# Altium PCB STM32F103最小系统板V1_0.PcbDoc (part 2 of 2) (continued)
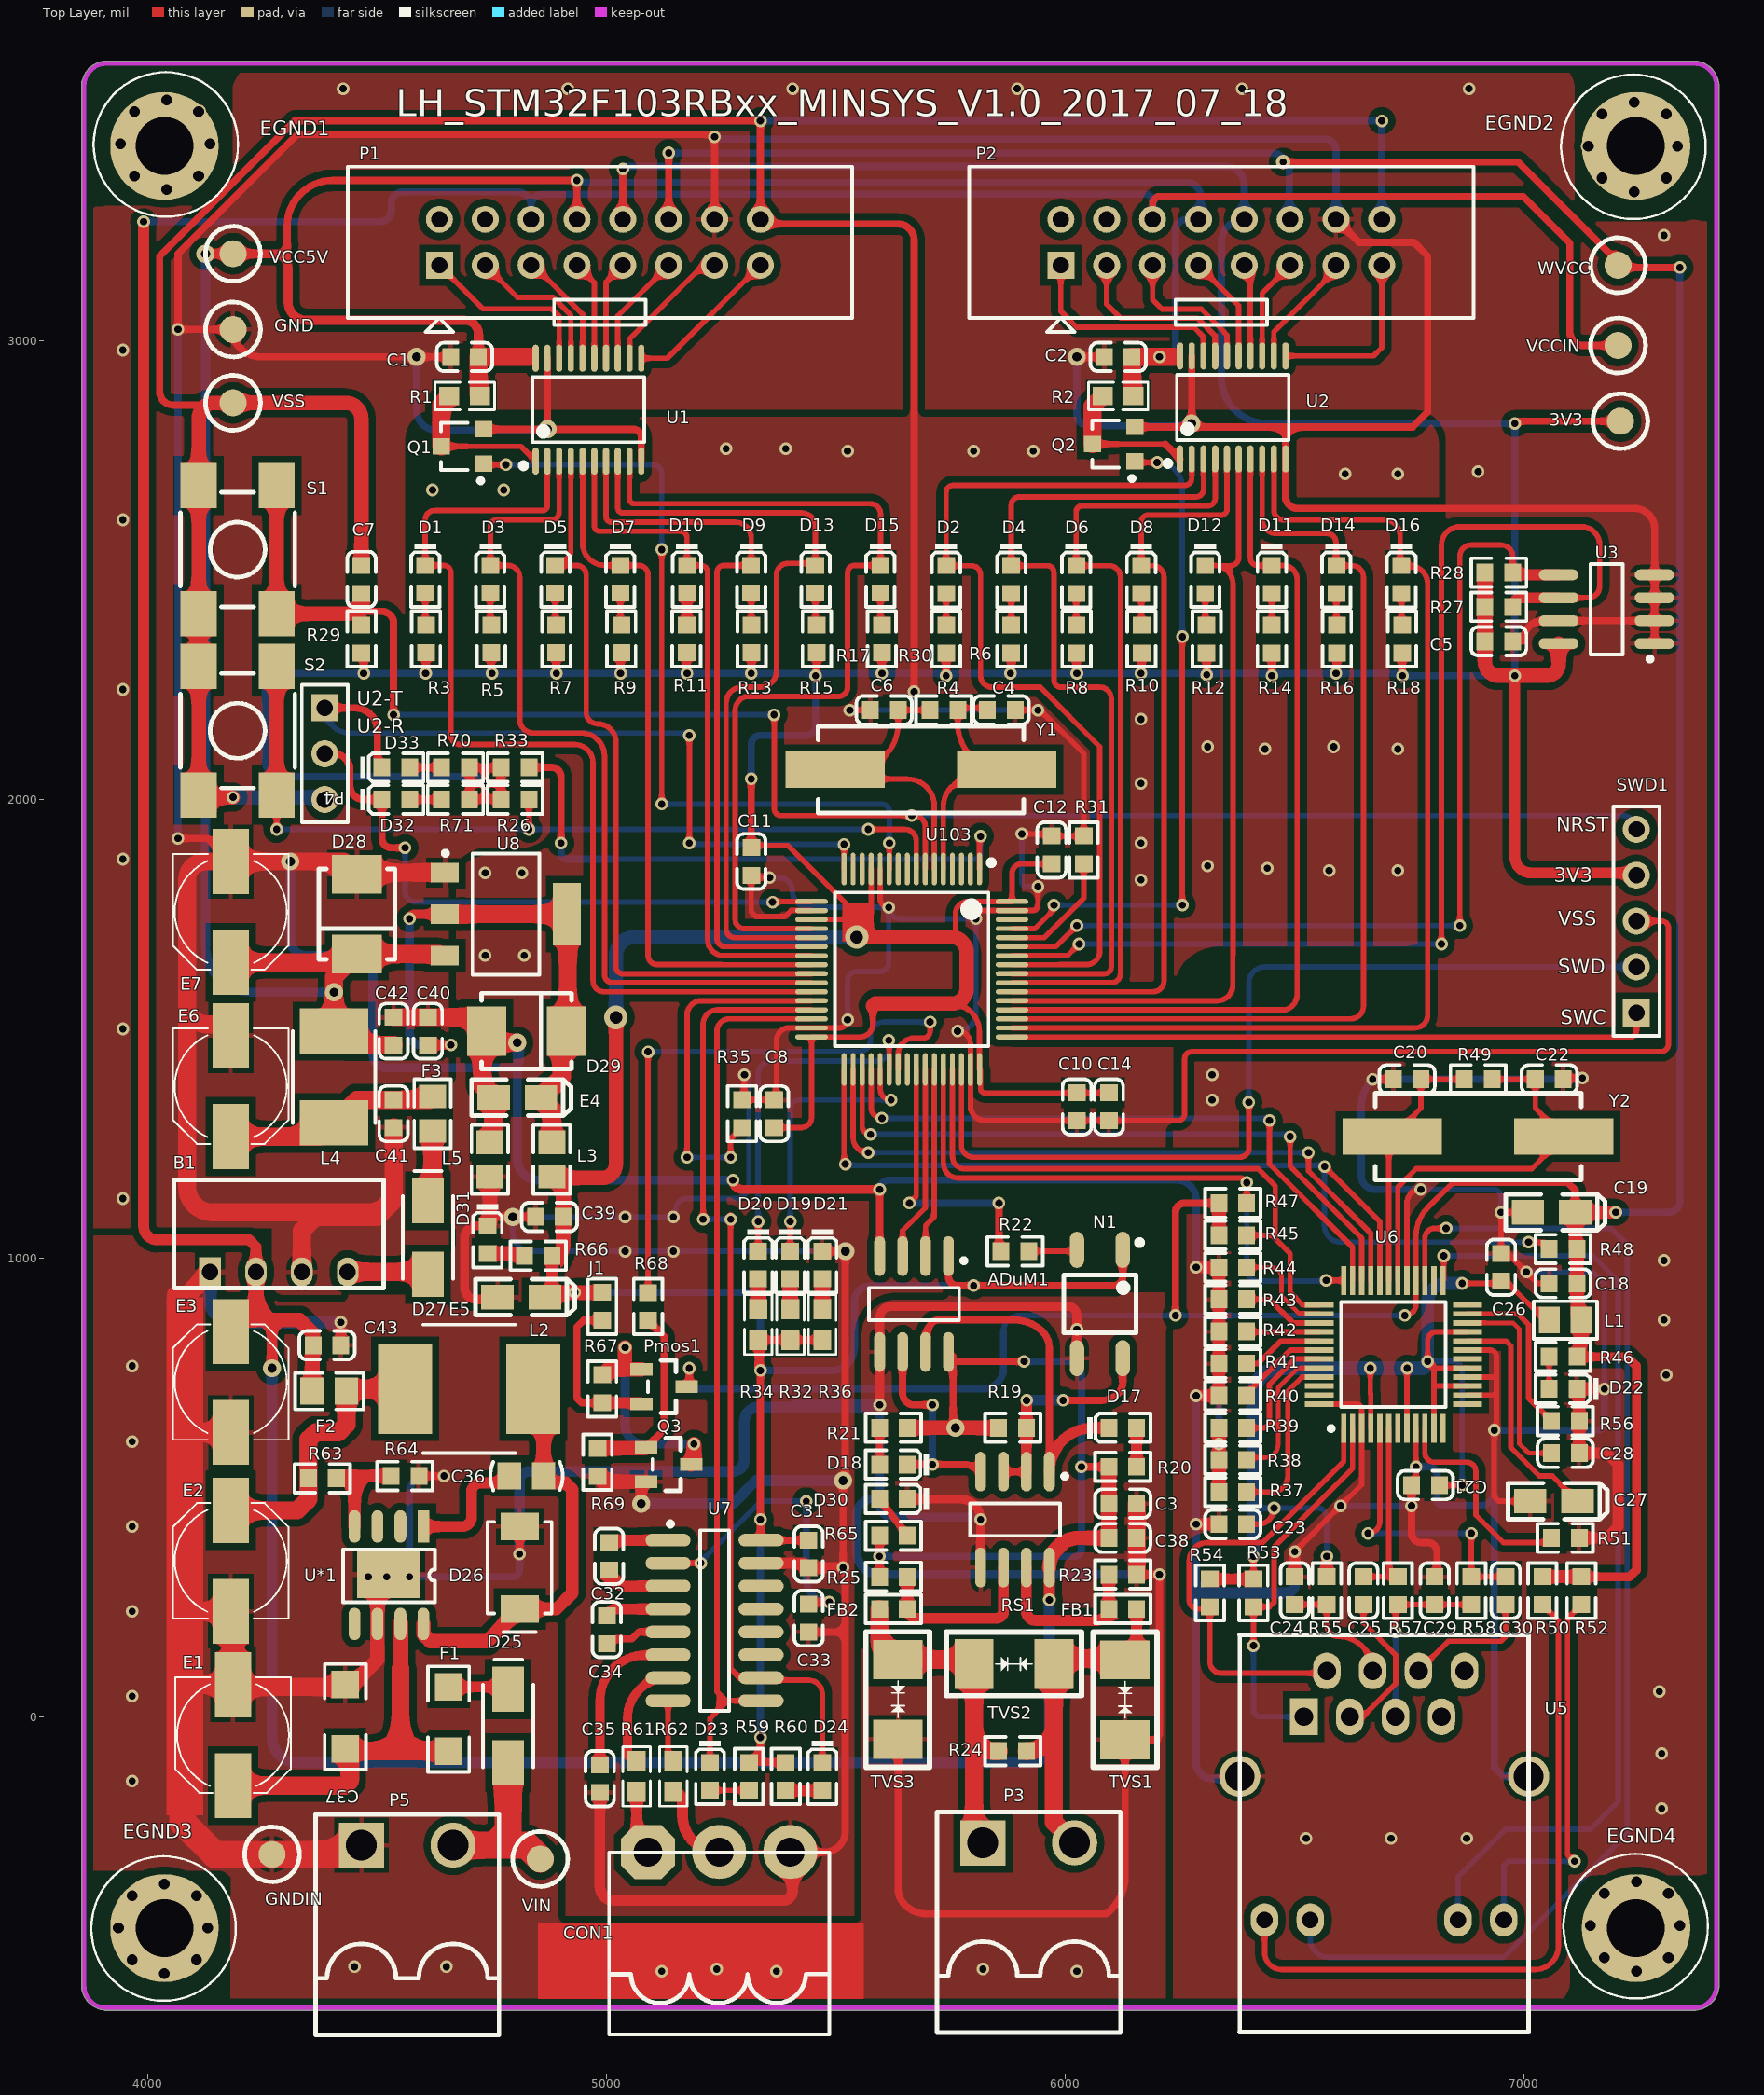
[diagram p0: Top Layer view]
## Nets (pads, with @x,y where several pads share a name; then routed paths per layer and width w, separated by ;. In a path a pad name is that pad's centre, name@x,y a point inside that pad or via, vN(x,y) a via of type N, cw(c..) or ccw(c..) an arc to the next point about the centre after c; other vN are vias at no path point) (continued)
  Top Layer w31.5: R69.2@4980,585.32 Q3.1@5083.7,585.32
NetR26_2: R26.2 U103.1 | length 1284.5
  Top Layer w11.81: U103.1@5812.64,1848.5 v1@5812.64,1917.64
  Top Layer w15.75: R26.2@4830.32,2070 4880,2070 cw(c4880,2050) 4900,2050 v1(4900,1905)
  Bottom Layer w11.81: 5010,1870 5805,1870 ccw(c5805,1880) 5815,1880 v1(5815,1920)
  Bottom Layer w15.75: v1(4900,1905) 4900,1885 ccw(c4915,1885) 4915,1870 5010,1870
NetR37_2: R37.2 U6.45 | length 376
  Top Layer w11.81: R37.2@6395.32,490 6450,490 ccw(c6450,525) 6485,525 6485,710 6515.79,740.79 U6.45@6553.58,740.79
NetR38_2: R38.2 U6.44 | length 318.1
  Top Layer w10: R38.2@6395.32,560 6400.32,565 6435,565 ccw(c6435,593.78) 6463.78,593.78 6463.78,717.22 6507.03,760.47 U6.44@6553.58,760.47
NetR39_2: R39.2 U6.43 | length 269.7
  Top Layer w11.81: R39.2@6395.32,630 6430,630 ccw(c6430,645) 6445,645 6445,725 6500.16,780.16 U6.43@6553.58,780.16
NetR40_2: R40.2 U6.42 | length 202.7
  Top Layer w11.81: R40.2@6395.32,700 6395.32,705.32 6489.84,799.84 U6.42@6553.58,799.84
NetR41_2: R41.2 U6.41 | length 178.8
  Top Layer w11.81: R41.2@6395.32,770 6420,770 6469.53,819.53 U6.41@6553.58,819.53
NetR42_2: R42.2 U6.40 | length 157.5
  Top Layer w11.81: R42.2@6396.1,839.21 U6.40@6553.58,839.21
NetR43_2: R43.2 U6.39 | length 179.4
  Top Layer w11.81: R43.2@6395.32,910 6445,910 6496.1,858.9 U6.39@6553.58,858.9
NetR44_2: R44.2 U6.38 | length 235
  Top Layer w10: R44.2@6400.32,975 R44.2@6395.32,980 6450,980 cw(c6450,958.78) 6471.22,958.78 6471.22,917.22 6508.95,879.49 6552.68,879.49 U6.38@6553.58,878.58
NetR50_1: R50.1 U5.9 | length 1521.4
  Top Layer w11.81: U5.9@6434.37,-442.91 6434.37,-513.92 ccw(c6471.67,-513.92) 6471.67,-551.22 7023.78,-551.22 ccw(c7023.78,-500) 7075,-500 7075,209.69 R50.1@7040,244.69
NetR51_1: R51.1 U6.10 | length 475.7
  Top Layer w11.81: U6.10@6783.9,628.58 6783.9,576.1 ccw(c6805,576.1) 6805,555 6875,555 cw(c6875,535) 6895,535 6895,440 6955,380 7049.69,380 R51.1@7059.69,390
NetR52_1: R52.1 U5.12 | length 855
  Top Layer w11.81: v1(7110,-315) 7095,-300 7095,214.69 R52.1@7125,244.69
  Bottom Layer w11.81: U5.12@6956,-442.91 6956,-324 6965,-315 v1(7110,-315)
NetR56_1: R56.1 U6.23 | length 373.9
  Top Layer w11.81: U6.23@6876.42,878.58 6986.42,878.58 7010,855 7010,694.69 R56.1@7059.69,645
NetR63_1: R63.1 R64.2 U*1.4 | length 257.6
  Top Layer w27.56: U*1.4@4450,415 4450,500.31 ; R64.2@4529.68,525 4470,525 ; 4450,500.31 4425.31,525 4470,525 ; 4450,500.31 4470,520.31 4470,525
NRST: C7.2 R29.1 S1.2 S1.3 SWD1.5 U103.7 | length 3912.2
  Top Layer w11.81: v1(5365,2185) 5365,1980 ccw(c5380,1980) 5380,1965 v1(5665,1965) 5670.48,1965 cw(c5670.48,1940.96) 5694.53,1940.96 U103.7@5694.53,1848.5
  Top Layer w15.75: 4465,2410 4510,2410 cw(c4510,2385) 4535,2385 v1(4535,2185)
  Top Layer w19.68: R29.1@4465,2380.31 4465,2410 4465,2435 C7.2@4465,2449.68
  Top Layer w31.5: S1.3@4280,2685 S1.2@4280,2405 4435,2405 ccw(c4435,2435) C7.2@4465,2435
  Bottom Layer w11.81: v1(4535,2185) v1(5365,2185) ; v1(5665,1965) 7215,1965 cw(c7215,1935) SWD1.5@7245,1935
PA1_RS485_RD: R22.1 U103.41 | length 599.8
  Top Layer w11.81: v1(5660,1120) 5674.84,1134.84 U103.41@5674.84,1411.5
  Top Layer w15.75: v1(5855,1120) 5855,1020.31 5860,1015.31 R22.1@5859.69,1015
  Bottom Layer w15.75: v1(5660,1120) v1(5855,1120)
PA2_USART2_TX: D32.K P4.1 U103.16 | length 1693.5
  Top Layer w11.81: v1(5180,1905) v1(5180,2140) ; U103.16@5517.36,1848.5 v1(5517.36,1902.36) ; v1(5517.36,1902.36) cw(c5520,1902.36) 5520,1905 v1(5517.36,1902.36)
  Top Layer w15.75: P4.1@4385,2200 4450,2200 cw(c4450,2150) 4500,2150 4500,2079.69 ccw(c4509.69,2079.69) D32.K@4509.69,2070
  Bottom Layer w11.81: P4.1@4385,2200 ccw(c4440,2200) 4440,2145 5175,2145 cw(c5175,2140) v1(5180,2140) ; v1(5180,1905) 5182.64,1902.36 v1(5517.36,1902.36)
PA3_USART2_RX: D33.K P4.2 U103.17 | length 1338.9
  Top Layer w11.81: v1(5361.32,1776.32) 5362.64,1777.64 U103.17@5446.5,1777.64
  Top Layer w15.75: P4.2@4385,2100 4405,2100 cw(c4405,2065) 4440,2065 4440,2030 ccw(c4470,2030) 4470,2000 D33.K@4509.69,2000 4509.69,1915.31 ccw(c4530,1915.31) 4530,1895 v1(4560,1895)
  Bottom Layer w11.81: v1(4560,1895) 4560,1800 ccw(c4583.68,1800) 4583.68,1776.32 v1(5361.32,1776.32)
PA9_USART1_TX: ADuM1.3 U103.42 | length 427.5
  Top Layer w11.81: ADuM1.3@5645,1004.49 5645,1060 5694.53,1109.53 U103.42@5694.53,1411.5
PA10_USART1_RX: ADuM1.2 U103.43 | length 415.4
  Top Layer w11.81: ADuM1.2@5695,1004.49 5695,1071.18 5714.21,1090.39 ; U103.43@5714.21,1411.5 5714.21,1090.39 ; 5714.61,1090.39 5714.21,1090.39
PB10_USART3_TX: D24.K U7.10 U103.29 | length 2107.1
  Top Layer w11.81: v1(5210,1085) 5210,1510 cw(c5241.42,1510) 5241.42,1541.42 U103.29@5446.5,1541.42 ; v1@5270,1094.72 v1(5270,1085) 5270,105 5290,85 U7.10@5336.46,85 ccw(c5341.46,85) 5341.46,80 5440,80 cw(c5440,50) 5470,50 D24.K@5470,-99.69
  Bottom Layer w11.81: v1(5210,1085) v1(5270,1085)
PB11_USART3_RX: D23.K U7.9 U103.30 | length 1965.1
  Top Layer w11.81: D23.K@5225,-99.69 5225,-3.64 5245,16.36 ; 5245,50 5245,16.36 ; 5245.75,35.75 5259.25,35.75 ; U7.9@5336.46,35 5275,35 cw(c5275,110) 5264.39,35.75 ; U103.30@5446.5,1521.73 5266.73,1521.73 ccw(c5266.73,1495) 5240,1495 5240,55 5259.25,35.75 ; 5245,16.36 5264.39,35.75 ; 5259.25,35.75 5264.39,35.75
PB13_SPI2_SCK: U6.33 U103.34 | length 1495.1
  Top Layer w11.81: U103.34@5537.05,1411.5 5537.05,1262.95 ccw(c5570,1262.95) v1(5570,1230) ; v1(6530,1230) 6530,1190 6665.79,1054.21 U6.33@6665.79,951.42
  Bottom Layer w11.81: v1(5570,1230) v1(6530,1230)
PB14_SPI2_MISO: U6.34 U103.35 | length 1452.2
  Top Layer w11.81: U103.35@5556.73,1411.5 5556.73,1288.27 ccw(c5575,1288.27) v1(5575,1270) v1@5580,1270 ; v1(6490,1265) 6490,1200 6646.1,1043.9 U6.34@6646.1,951.42
  Bottom Layer w11.81: v1(5575,1270) 6485,1270 v1(6490,1265)
PB15_SPI2_MOSI: U6.35 U103.36 | length 1390.8
  Top Layer w11.81: U103.36@5576.42,1411.5 5576.42,1328.58 ccw(c5600,1328.58) v1(5600,1305) ; v1(6445,1300) 6445,1205 6626.42,1023.58 U6.35@6626.42,951.42
  Bottom Layer w11.81: v1(5600,1305) 6440,1305 v1(6445,1300)
R232_R: R62.2 U7.8 | length 138.1
  Top Layer w11.81: U7.8@5133.54,35 5133.54,-85.08 ccw(c5145,-85.08) R62.2@5145,-96.54
R232_T: R61.2 U7.7 | length 243.5
  Top Layer w19.68: R61.2@5065,-96.54 cw(c5065,-76.54) 5045,-76.54 5045,-3.54 cw(c5133.54,-3.54) U7.7@5133.54,85
RCT: C29.2 R57.2 R58.2 U5.5 | length 399.7
  Top Layer w11.81: v1(6720,185) R57.2@6720,239.68 ; R57.2@6725,244.68 R58.2@6885,244.68
  Bottom Layer w11.81: U5.5@6720,0 v1(6720,185)
RXN: C30.1 R58.1 U6.5 | length 637.8
  Top Layer w11.81: v1(6660,400) ccw(c6660,425.47) 6685.47,425.47 U6.5@6685.47,628.58 ; v1(6885,400) R58.1@6885,305.31 C30.1@6960,305.31
  Bottom Layer w11.81: v1(6660,400) v1(6885,400)
RXNNET: C30.2 U5.6 | length 290.8
  Top Layer w11.81: U5.6@6770,100 6835,165 6950,165 6960,175 C30.2@6960,244.69
RXP: C25.1 R57.1 U6.6 | length 426.2
  Top Layer w11.81: C25.1@6650,305.31 R57.1@6725,305.31 6705.16,325.16 ; 6705.16,305.47 6705.16,325.16 ; U6.6@6705.16,628.58 6705.16,325.16
RXPNET: C25.2 U5.3 | length 331.6
  Top Layer w11.81: U5.3@6620,0 6648.09,0 6720,71.91 6720,135 6650,205 C25.2@6650,244.69
S1: R33.1 S2.1 S2.4 U103.8 | length 1890.6
  Top Layer w11.81: v1(4280,1935) S2.4@4280,2010 ; v1(4830.31,1935) R33.1@4830.31,2000 ; v1(5570,1935) 5649.84,1935 cw(c5649.84,1910) 5674.84,1910 U103.8@5674.84,1848.5
  Top Layer w31.5: S2.4@4280,2010 S2.1@4280,2290
  Bottom Layer w11.81: v1(4280,1935) v1(5570,1935)
STM_SWC: SWD1.1 U103.49 | length 1408.7
  Top Layer w11.81: U103.49@5883.5,1482.36 7232.36,1482.36 ccw(c7232.36,1495) 7245,1495 SWD1.1@7245,1535
STM_SWD: SWD1.2 U103.46 | length 2043.1
  Top Layer w11.81: U103.46@5773.27,1411.5 5773.27,1246.73 ccw(c5800,1246.73) 5800,1220 6380,1220 ccw(c6380,1240) 6400,1240 v1(6400,1340)
  Bottom Layer w11.81: v1(6400,1340) 6400,1600 cw(c6435,1600) 6435,1635 7160,1635 SWD1.2@7245,1635
TCT: C24.1 R55.2 U5.4 | length 271.8
  Top Layer w11.81: C24.1@6500,244.69 R55.2@6570,244.68 6570,200 ccw(c6595,200) 6595,175 cw(c6595,100) U5.4@6670,100
TXN: R54.2 U5.2 U6.1 | length 1040.5
  Top Layer w11.81: U5.2@6570,100 cw(c6565,100) 6565,95 6340,95 cw(c6340,120) 6315,120 R54.2@6315,239.68 cw(c6310.32,239.68) 6310.32,235 6290,235 cw(c6290,255) 6270,255 6270,340 cw(c6310,340) 6310,380 6430,380 6606.73,556.73 U6.1@6606.73,628.58
TXP: R53.2 U5.1 U6.2 | length 842.7
  Top Layer w11.81: v1(6410,155) R53.2@6410,239.68 6444.68,239.68 6455,250 6455,370 6626.42,541.42 U6.2@6626.42,628.58
  Bottom Layer w11.81: v1(6410,155) 6410,10 6420,0 U5.1@6520,0
VCC3.3: C18.2 C19.1 L1.1 P1.12 P2.12 Pmos1.3 R37.1 R38.1 R39.1 R45.1 R46.2 R47.1 R48.1 R50.2 R52.2 U6.28 WVCC.1 | length 9320
  Top Layer w11.81: v1(6740,875) ccw(c6740,899.21) 6764.21,899.21 U6.28@6764.21,951.42 6764.21,1047.74 cw(c6852.26,1047.74) 6790,1110 6837.93,1157.93 cw(c6855,1140.86) 6855,1165 ; WVCC.1@7205,3165 ccw(c7210,3165) WVCC.1@7210,3160
  Top Layer w15.75: P1.12@5135,3265 v1(5135,3410) ; Pmos1.3@5174.21,720 5180,714.21 v1(5180,760) ; v1(6240,875) 6240,1100 cw(c6260,1100) 6260,1120 R47.1@6334.69,1120 ; v5(6475,3390) 6987.3,3390 7187.3,3190 7200,3190 cw(c7190,3190) WVCC.1@7190,3180 ; 6845,1165 6855,1165 7095,1165 7111.57,1148.43 C19.1@7111.57,1100 ; WVCC.1@7210,3160 v1(7340,3160)
  Top Layer w19.68: R46.2@7115.32,785 7225,785 7245,765 7245,320 7230.32,305.32 R52.2@7125,305.32
  Top Layer w27.56: R37.1@6334.69,490 R38.1@6334.69,560 R39.1@6334.69,630 ; R45.1@6334.69,1050 R47.1@6334.69,1120 ; R50.2@7040,305.32 R52.2@7125,305.32 ; R48.1@7111.57,1023.74 C19.1@7111.57,1100 v1(7200,1100) ; L1.1@7115.31,874.13 C18.2@7115.31,945 R48.1@7115.31,1020 ; R46.2@7124.45,794.13 L1.1@7124.45,865
  Bottom Layer w11.81: 5865,840.86 cw(c5899.14,840.86) 5899.14,875 v1(6240,875) 6305,875 6321.58,875 6360,875 v1(6740,875) ; v1@7340,3150 cw(c7350,3150) 7350,3160 v1(7340,3160)
  Bottom Layer w15.75: v1(5135,3410) 5135.47,3409.53 6450.47,3409.53 cw(c6450.47,3372.26) 6487.74,3372.26 6487.74,3267.26 ccw(c6490,3267.26) P2.12@6490,3265 ; v1(5180,760) 5180,730 ccw(c5195,730) 5195,715 5820,715 ; 5830,715 5820,715 ; 5865,750 5865,760 ; 5865,840.86 5865,760 ; 6305,875 cw(c6305,845) 6318.42,871.83 ; 6321.58,875 ccw(c6321.58,871.83) 6318.42,871.83 ; v1(6335,595) 6335,845 ; 6360,875 ccw(c6360,850) 6335,850 6335,845 ; v1(7200,1100) 7315,1100 ccw(c7315,1125) 7340,1125 v1@7340,3150 ; 5820,715 ccw(c5820,760) 5865,760 ; 6318.42,871.83 cw(c6305,845) 6335,845
VCC5V: C1.2 C2.2 C42.2 D28.2 E7.1 L4.2 P1.8 P2.8 R1.2 R2.2 U1.20 U2.20 U8.3 VCC5V.1 | length 6454.4
  Top Layer w15.75: 4302.85,3171.14 4302.85,3250 cw(c4402.85,3250) 4402.85,3350 v1(4935,3350) P1.8@4935,3265
  Top Layer w19.68: v3(4125,3190) VCC5V.1@4185,3190 4275,3190 ; 4302.85,3210 cw(c4282.85,3210) 4282.85,3190 4275,3190 ; C1.2@4720.31,2965 4720.31,3014.69 ccw(c4690,3014.69) 4690,3045 4345,3045 cw(c4345,3085) 4305,3085 4305,3160 ccw(c4275,3160) 4302.85,3171.14 ccw(c4275,3160) 4275,3190
  Top Layer w39.37: E7.1@4180,1645 D28.2@4437.01,1645 ; C42.2@4535,1464.69 4435.31,1464.69 L4.2@4405,1495 v3(4405,1580) 4405,1612.99 D28.2@4437.01,1645 ; U8.3@4637.13,1659.45 4633.58,1662.99 D28.2@4455,1662.99 D28.2@4437.01,1645 ; R1.2@4720.31,2883.15 C1.2@4720.31,2965 4830,2965 ; R2.2@6145.31,2883.15 C2.2@6145.31,2965 v1(6205,2965) 6235,2965
  Bottom Layer w15.75: v1(4935,3350) 4939.53,3345.47 6264.53,3345.47 cw(c6264.53,3315) 6295,3315 6295,3280 cw(c6285,3280) 6285,3270 P2.8@6290,3265 6265,3265 ccw(c6265,3240) 6240,3240 6240,2985 cw(c6220,2985) 6220,2965 v1(6205,2965)
  Bottom Layer w19.68: v3(4125,3190) 4125,1680 ccw(c4225,1680) 4225,1580 v3(4405,1580)
VCC_1.2V: C28.1 U6.22 | length 447.3
  Top Layer w10: U6.22@6876.42,858.9 6976.1,858.9 6990,845 6990,595 7010,575 C28.1@7059.69,575
VCCIN5V: ADuM1.8 B1.2 C3.2 C38.1 C43.1 E3.1 F2.2 P1.6 P2.6 R19.1 R20.2 R21.1 R25.2 R65.2 RS1.8 VCCIN.1 | length 11877.7
  Top Layer w15.75: R25.2@5594.68,305 v1(5594.68,350) R65.2@5594.68,395 ; v3@5755,630 5755,785.51 ADuM1.8@5745,795.51 ccw(c5765.51,795.51) 5765.51,775 v1(5910,775) ; v1(6035,545) R20.2@6094.68,545 ; P2.6@6190,3265 6190,3297.93 cw(c6207.07,3297.93) 6207.07,3315 6998.17,3315 7100,3213.17 7100,3020 ccw(c7130,3020) 7130,2990 VCCIN.1@7205,2990
  Top Layer w23.62: v1(3990,3260) 3990,1070 ccw(c4020,1070) 4020,1040 4220,1040 4235,1025 B1.2@4235,970 ; 4235,865 cw(c4235,830) 4270,830 ; 4265,865 cw(c4265,860) 4270,860 4270,830 ; v3(4270,760) 4270,830 ; 4310,865 4305,865 ccw(c4305,830) 4270,830 ; v1(5965,255) RS1.8@5965,325.51
  Top Layer w31.5: E3.1@4180,840 E3.1@4205,865 ; E3.1@4185,855 4195,865 E3.1@4205,865 ; B1.2@4235,970 4235,895 ; F2.2@4357.6,710 C43.1@4357.6,802.91 ; C43.1@4359.69,810 4359.69,835.31 4330,865 4305,865 4265,865 ; R21.1@5655.31,630 R19.1@5854.69,630 ; RS1.8@5965,325.51 cw(c6029.49,325.51) 6029.49,390 C38.1@6094.69,390 R20.2@6094.68,545 ; E3.1@4205,865 4235,865 ; E3.1@4205,865 4235,895 ; 4235,865 4265,865 ; 4235,865 4235,895 ; 4235,895 4265,865
  Bottom Layer w15.75: v1(3990,3260) 4505,3260 ccw(c4505,3285) 4530,3285 4530,3300 cw(c4555,3300) 4555,3325 4805,3325 cw(c4805,3295) 4835,3295 ; P1.6@4835,3265 4835,3295 ; v1(5594.68,350) 6020,350 ccw(c6020,365) 6035,365 v1(6035,545) 6035,745 ccw(c6005,745) 6005,775 v1(5910,775) ; P2.6@6190,3265 6190,3305 ccw(c6175,3305) 6175,3320 4860,3320 ccw(c4860,3295) 4835,3295
  Bottom Layer w19.68: P2.6@6190,3265 ccw(c6190,3275) P2.6@6200,3275
  Bottom Layer w23.62: v3(4270,760) 4270,-45 ccw(c4325,-45) 4325,-100 5925,-100 ccw(c5925,-60) 5965,-60 v1(5965,255)
  other v3: 5760,630
VIN: D25.1 P5.2 VIN.1 | length 412.7
  Top Layer w19.68: P5.2@4650,-280 cw(c4650,-285) P5.2@4655,-285
  Top Layer w59.06: P5.2@4665,-280 4755,-280 ; D25.1@4785,-90 D25.1@4785,-100 4785,-250 4755,-280 ; VIN.1@4855,-310 4825,-280 4755,-280
VSS: C4.1 C6.1 C7.1 C8.1 C10.1 C11.1 C12.1 C14.1 C31.1 C33.2 C35.2 C39.1 CON1.3 D21.K D31.K E5.2 L5.2 P1.16 P2.16 P4.3 Q3.2 R31.1 R35.1 R69.1 S1.1 S1.4 S2.2 S2.3 SWD1.3 U7.15 U103.12 U103.18 U103.31 U103.47 U103.63 VSS.1 | length 17511.1
  Top Layer w11.81: S1.4@4105,2690 ccw(c4110,2690) S1.4@4110,2685 ; v1(5300,1400) 5300,1360.31 5290,1350.31 ccw(c5295,1350.31) R35.1@5295,1345.31 C8.1@5365,1345.31 ccw(c5365,1350.31) 5370,1350.31 5370,1475 cw(c5397.05,1475) 5397.05,1502.05 U103.31@5446.5,1502.05 5507.05,1502.05 ccw(c5507.05,1520) v1(5525,1520) ; v1(5355,1829.69) 5315,1829.69 5315,1755 5325,1745 5388.97,1745 5401.93,1757.95 U103.18@5446.5,1757.95 ; v1(5530,2195) C6.1@5574.69,2195 ; U103.12@5596.1,1848.5 5596.1,1783.9 ccw(c5615,1783.9) v1(5615,1765) ; v1(5765,1495) cw(c5765,1467.05) 5792.95,1467.05 U103.47@5792.95,1411.5 5792.95,1332.05 ccw(c5825,1332.05) 5825,1300 6095,1300 C14.1@6095,1299.69 6244.69,1299.69 ccw(c6244.69,1315) 6260,1315 6260,1435 cw(c6275,1435) 6275,1450 7297.93,1450 ccw(c7297.93,1467.07) 7315,1467.07 7315,1720 ccw(c7300,1720) 7300,1735 SWD1.3@7245,1735 ; v1(5805,1740) cw(c5822.95,1740) 5822.95,1757.95 U103.63@5883.5,1757.95 5927.95,1757.95 ccw(c5927.95,1770) 5940,1770 v1(5940,1810) ; C4.1@5890.31,2200 5895.31,2195 v1(5940,2195) 5945,2195 6040,2100 R31.1@6040,1920.31 C12.1@5970,1920.31 ; v1(5905,1925) C12.1@5965.31,1925 ; C12.1@5965.31,1925 cw(c5965.31,1920.31) C12.1@5970,1920.31 ; C12.1@5965.31,1925 cw(c5965.31,1920.31) C12.1@5970,1920.31 ; C12.1@5965.31,1925 cw(c5965.31,1920.31) C12.1@5970,1920.31
  Top Layer w15.75: VSS.1@4185,2865 cw(c4180,2865) 4180,2860 4126.35,2860 4055,2860 cw(c4055,2890) 4025,2890 4025,3185 4320,3480 v1(5335,3480) P1.16@5335,3265 ccw(c5345,3265) 5345,3255 5635,3255 cw(c5635,3220) 5670,3220 v1(5670,2235) ; D31.K@4745,1075.31 4759.69,1090 v3(4795,1090) C39.1@4844.69,1090 ; CON1.3@5405,-300 cw(c5410,-300) 5410,-295 5475,-295 ccw(c5475,-250) 5520,-250 5520,160 ; C33.2@5440,184.69 5494.69,184.69 ; D21.K@5470,1015.31 5505,1015.31 cw(c5505,1000.31) 5520,1000.31 5520,520 cw(c5515,520) v3(5515,515) v1(5515,325) cw(c5515,320) 5520,320 5520,210 ; 5494.69,184.69 ccw(c5494.69,210) 5495.31,184.69 ; 5494.69,184.69 5495.31,184.69 ; 5495.31,184.69 ccw(c5494.69,210) 5520,210 ; 5495.31,184.69 cw(c5495.31,160) 5520,160 ; 5520,160 5520,210
  Top Layer w19.68: D31.K@4740,1070.31 4715.47,1070.31 ccw(c4715.47,1044.84) 4690,1044.84 4690,935 ccw(c4715,935) 4715,910 4756.85,910 ccw(c4756.85,915) E5.2@4761.85,915 ; Q3.2@5085.79,512.6 ccw(c5088.39,512.6) Q3.2@5088.39,510
  Top Layer w23.62: C35.2@4985,-165.31 4985,-370 ccw(c5015,-370) 5015,-400 5385,-400 ccw(c5385,-380) 5405,-380 5405,-300 ccw(c5400,-300) CON1.3@5400,-295 ; v3(5075,465) 5075,501.81 cw(c5085.79,501.81) Q3.2@5085.79,512.6 ; U7.15@5336.46,335 5429.69,335 C31.1@5440,324.69 5440,325 v1(5515,325)
  Top Layer w31.5: v1(4185,2005) S2.3@4115,2005 ; C7.1@4465,2510.32 4465,2830 ccw(c4430,2830) 4430,2865 VSS.1@4185,2865 4144.14,2865 ccw(c4144.14,2830.86) 4126.35,2860 ccw(c4144.14,2830.86) 4110,2830.86 S1.4@4110,2685 S1.1@4110,2405 S2.2@4110,2290 S2.3@4110,2010 ; D31.K@4745,1075.31 L5.2@4745,1177.6 ; R69.1@4980,524.69 4992.09,512.6 Q3.2@5085.79,512.6 ; S2.3@4110,2010 ccw(c4115,2010) S2.3@4115,2005 ; S2.3@4110,2010 ccw(c4115,2010) S2.3@4115,2005
  Bottom Layer w11.81: v1(5300,1400) cw(c5300,1390) 5310,1390 5310,1160 cw(c5280,1160) 5280,1130 5175,1130 ccw(c5175,1105) 5150,1105 cw(c5135,1105) 5135,1090 v3(4795,1090) 4795,1055 ccw(c4835,1055) 4835,1015 v3(5520,1015) ; v1(5355,1829.69) 5375.31,1829.69 cw(c5375.31,1800) 5405,1800 ccw(c5440,1800) 5440,1765 v1(5615,1765) ; v1(5525,1520) 5525,1605 cw(c5545,1605) 5545,1625 5595,1625 ccw(c5595,1645) 5615,1645 v1(5615,1765) ; v1(5530,2195) 5670,2195 v1(5940,2195) ; v1(5765,1495) ccw(c5765,1535) 5805,1535 v1(5805,1740) 5640,1740 cw(c5640,1765) v1(5615,1765) ; v1(5905,1925) 5905,1820 ccw(c5915,1820) 5915,1810 v1(5940,1810) ; v1@6684.53,3479.53 v1@6690,3479.53
  Bottom Layer w15.75: v1(5335,3480) 6684.06,3480 6684.53,3479.53 6685,3480 v1(6690,3480) 6690,3479.53 P2.16@6690,3265 ; 5670,2195 v1(5670,2235)
  Bottom Layer w23.62: v3(5075,465) 5275,465 5325,515 v3(5515,515)
  Bottom Layer w31.5: v1(4185,2005) 4380,2005 cw(c4380,2000) P4.3@4385,2000
  other v1: 5040,1015 5145,1015 5040,1090 5145,1090 4735,1660 4820,1660 6165,1825 4735,1840 4815,1840 6575,1845 6725,1845 6440,1850 6310,1855 6165,1905 6165,2035 6435,2110 6725,2110 6310,2115 6585,2115 6165,2175 6610,2710 6725,2710 5525,2760 5800,2760 5930,2760 5260,2765 5390,2765
pads on no net: P1.2 P1.4 P2.2 P2.4 U5.7 U5.8 U6.7 U6.12 U6.13 U6.18 U6.24 U6.26 U6.46 U6.47 U7.11 U7.12 U7.13 U7.14 U103.2 U103.3 U103.4 U103.9 U103.10 U103.14 U103.15 U103.40 U103.62 U*1.2 U*1.3 U*1.5
copper on no net:
  other v1: 4620,2675 4775,2675

## Polygon pours and split planes (outlines as drawn)
GNDIN on Top Layer "Bottom Layer-No Net" (solid, remove dead copper, pour order 30): 3854.99,-335 4155,-335 cw(c4149.4,-372.67) 4180,-350 cw(c4129.7,-360.01) 4180,-370.01 cw(c4129.78,-380.01) 4180,-390 4180,-635 6230,-635 ccw(c6230,-630) 6235,-630 6235,900 ccw(c6210,900) 6210,925 5630.15,925 ccw(c5630.15,834.85) 5540,834.85 5540,-425 cw(c5515,-425) 5515,-450 4935,-450 cw(c4935,-425) 4910,-425 4910,870 ccw(c4875,870) 4875,905 4670,905 cw(c4670,925) 4650,925 cw(c4645,925) 4645,920 4300,920 cw(c4300,945.29) 4274.71,945.29 4274.71,965 4274.71,1045.29 ccw(c4255,1045.29) 4255,1065 3920,1065 ccw(c3904.99,1015) 3854.99,1030 3854.99,340
VSS on Top Layer "Bottom Layer-No Net" (solid, remove dead copper, pour order 16): 4855,2155 cw(c4855,2125) 4885,2125 4885,2120 4885,1958.11 cw(c4821.89,1958.11) 4821.89,1895 4741.1,1895 ccw(c4741.1,1808.9) 4655,1808.9 4655,924.25 ccw(c4674.25,924.25) 4674.25,905 4870,905 cw(c4870,865) 4910,865 4910,-430 ccw(c4930,-430) 4930,-450 5521.53,-450 ccw(c5521.53,-446.36) 5525.17,-446.36 cw(c5528.63,-446.36) 5528.63,-442.9 5530.02,-442.9 ccw(c5530.02,-432.92) 5540,-432.92 5540,-320 5540,834.85 cw(c5630.15,834.85) 5630.15,925 6220,925 ccw(c6220,940) 6235,940 6235,1580 cw(c6335,1580) 6335,1680 6450,1680 6735,1680 ccw(c6735,1775) 6830,1775 6830,2755 ccw(c6735,2755) 6735,2850 4625,2850 ccw(c4625,2785) 4560,2785 4560,2200 ccw(c4605,2200) 4605,2155 4855,2155 ccw(c4855,2160) 4860,2160
GND on Top Layer "Bottom Layer-No Net" (solid, remove dead copper, pour order 12): 6230,-635 7040,-635 ccw(c7040,-575) 7100,-575 7100,-405 cw(c7160,-405) 7160,-345 7360,-345 ccw(c7374.4,-259.02) 7425.01,-330 ccw(c7394.85,-317.5) 7425.01,-305 7420,3260 ccw(c7405,3223.8) 7390,3260 ccw(c7370,3211.73) 7350,3260 7150,3260 cw(c7150,3300) 7110,3300 7110,3550 ccw(c7055,3550) 7055,3605 4270,3605 ccw(c4252.5,3537.51) 4185,3555 4185,3440 4185,3335.02 cw(c4157.49,3322.51) 4170,3295 3905,3295 cw(c3892.5,3325.18) 3880,3295 cw(c3876.03,3321.64) 3860,3300 3860,2180 3854.99,1065 4270,1065 4270,945 ccw(c4295,945) 4295,920 4630,920 ccw(c4630,945) 4655,945 4655,1810 cw(c4740,1810) 4740,1895 4815,1895 ccw(c4815,1965) 4885,1965 4885,2120 ccw(c4850,2120) 4850,2155 4625,2155 cw(c4625,2220) 4560,2220 4560,2785 cw(c4625,2785) 4625,2850 6760,2850 cw(c6760,2780) 6830,2780 6830,1785 cw(c6730,1785) 6730,1685 6570,1685 6335,1685 ccw(c6335,1585) 6235,1585 6235,-635
GNDIN on Bottom Layer "Bottom Layer-No Net" (solid, remove dead copper, pour order 32): 3900,-335 4155,-335 cw(c4144.4,-360.6) 4170,-350 cw(c4132.76,-379.57) 4180,-385 4180,-635 6190,-635 ccw(c6190,-595) 6230,-595 6230,900 ccw(c6200,900) 6200,930 5610,930 ccw(c5610,870) 5550,870 5550,-385 cw(c5485,-385) 5485,-450 4960,-450 cw(c4960,-395) 4905,-395 4905,870 ccw(c4875,870) 4875,900 4679.22,900 cw(c4679.22,926.5) 4652.72,926.5 cw(c4646.21,926.5) 4646.21,920 4290.03,920 cw(c4290.03,935.03) 4275,935.03 4275,1050 ccw(c4260,1050) 4260,1065 3921.15,1065 ccw(c3910.58,1014.42) 3860,1025 3860,1003.85 3854.99,-335
VSS on Bottom Layer "Bottom Layer-No Net" (solid, remove dead copper, pour order 18): 4560,2695 4560,2790 cw(c4625,2790) 4625,2855 6735,2855 cw(c6735,2755) 6835,2755 6835,2740 6835,1775 cw(c6735,1775) 6735,1675 6730,1675 6335,1675 ccw(c6335,1575) 6235,1575 6235,1565 6235,950 cw(c6210,950) 6210,925 5640,925 ccw(c5640,825) 5540,825 5540,785 5540,-420 cw(c5505,-420) 5505,-455 4945,-455 cw(c4945,-420) 4910,-420 4910,865 ccw(c4875,865) 4875,900 4687.02,900 cw(c4687.02,932.02) 4655,932.02 4655,1795 cw(c4755,1795) 4755,1895 4775,1895 4815,1895 ccw(c4815,1970) 4890,1970 4890,2115 ccw(c4850,2115) 4850,2155 4620,2155 cw(c4620,2220) 4555,2220 4555,2695
GND on Bottom Layer "Bottom Layer-No Net" (solid, remove dead copper, pour order 14): 6235,-635 cw(c6242.49,-672.65) 6250,-635 cw(c6257.5,-672.66) 6265,-635 cw(c6272.49,-672.65) 6280,-635 cw(c6287.49,-672.65) 6295,-635 6700,-635 7100,-635 7100,-385 cw(c7140,-385) 7140,-345 7370,-345 ccw(c7387.5,-312.5) 7420,-330 7420,-295 7420,3230 ccw(c7374.83,3206.29) 7390,3255 ccw(c7357.93,3211.72) 7350,3265 7145,3265 ccw(c7145,3260) 7140,3260 ccw(c7135,3260) 7135,3265 7130,3265 cw(c7130,3285) 7110,3285 7110,3380 7110,3550 ccw(c7055,3550) 7055,3605 4275,3605 ccw(c4262.5,3527.5) 4185,3540 4185,3335.02 cw(c4157.5,3322.51) 4170,3295 3854.99,3295 3860,1065 4260,1065 cw(c4260,1055) 4270,1055 4270,945 ccw(c4295,945) 4295,920 4640,920 ccw(c4640,935) 4655,935 4655,990 4655,1810 cw(c4740,1810) 4740,1895 4820,1895 ccw(c4820,1960) 4885,1960 4885,2125 ccw(c4855,2125) 4855,2155 4605,2155 cw(c4605,2170) 4590,2170 4585,2170 cw(c4585,2195) 4560,2195 4560,2325 4560,2790 cw(c4620,2790) 4620,2850 6735,2850 cw(c6735,2755) 6830,2755 6830,1780 cw(c6730,1780) 6730,1680 6335,1680 ccw(c6335,1580) 6235,1580 6235,1565 6235,-630 ccw(c6240,-630) 6240,-635

## Keep-outs
Keep-Out Layer:
  lines w10: 3860,-500 3860,3520 ; 3860,-485 3860,-585 ccw(c3910,-585) 3910,-635 4055,-635 ; 3860,3510 3860,3555 cw(c3910,3555) 3910,3605 3980,3605 ; 3965,3605 7265,3605 7370,3605 cw(c7370,3555) 7420,3555 7420,3490 7420,-555 7420,-585 cw(c7370,-585) 7370,-635 7255,-635 ; 4045,-635 7265,-635

## Other copper
Top Layer:
  rectangle net GNDIN: 4850,-615 5560,-450
  rectangle net 3V3: 5513.27,1690 5580,1775
  region net GNDIN: 4120,915 4040,915 4040,-215 4120,-215

## Silkscreen, mask and mechanical layers (free items; w line width, h text height)
Top Overlay:
  text "LH_STM32F103RBxx_MINSYS_V1.0_2017_07_18" at 4540,3490 h59.06
  text "U2-T" at 4455,2205 h31.5
  text "U2-R" at 4455,2145 h31.5
  text "NRST" at 7070,1930 h31.5
  text "3V3" at 7065,1820 h31.5
  text "VSS" at 7075,1725 h31.5
  text "SWD" at 7075,1620 h31.5
  text "SWC" at 7080,1510 h31.5